# Altium PCB PCB.PcbDoc (part 5 of 7)
Units mil, origin at the board's own origin, x right, y up, seen from the top; angles counter-clockwise.
Board outline 3937.01 x 2165.35 mil, 6 copper layers (Top, PWR, Signal 1, Signal 2, GND, Bottom), stack 64.961 mil thick; 271 components, 335 nets, 1191 pads, 518 vias.
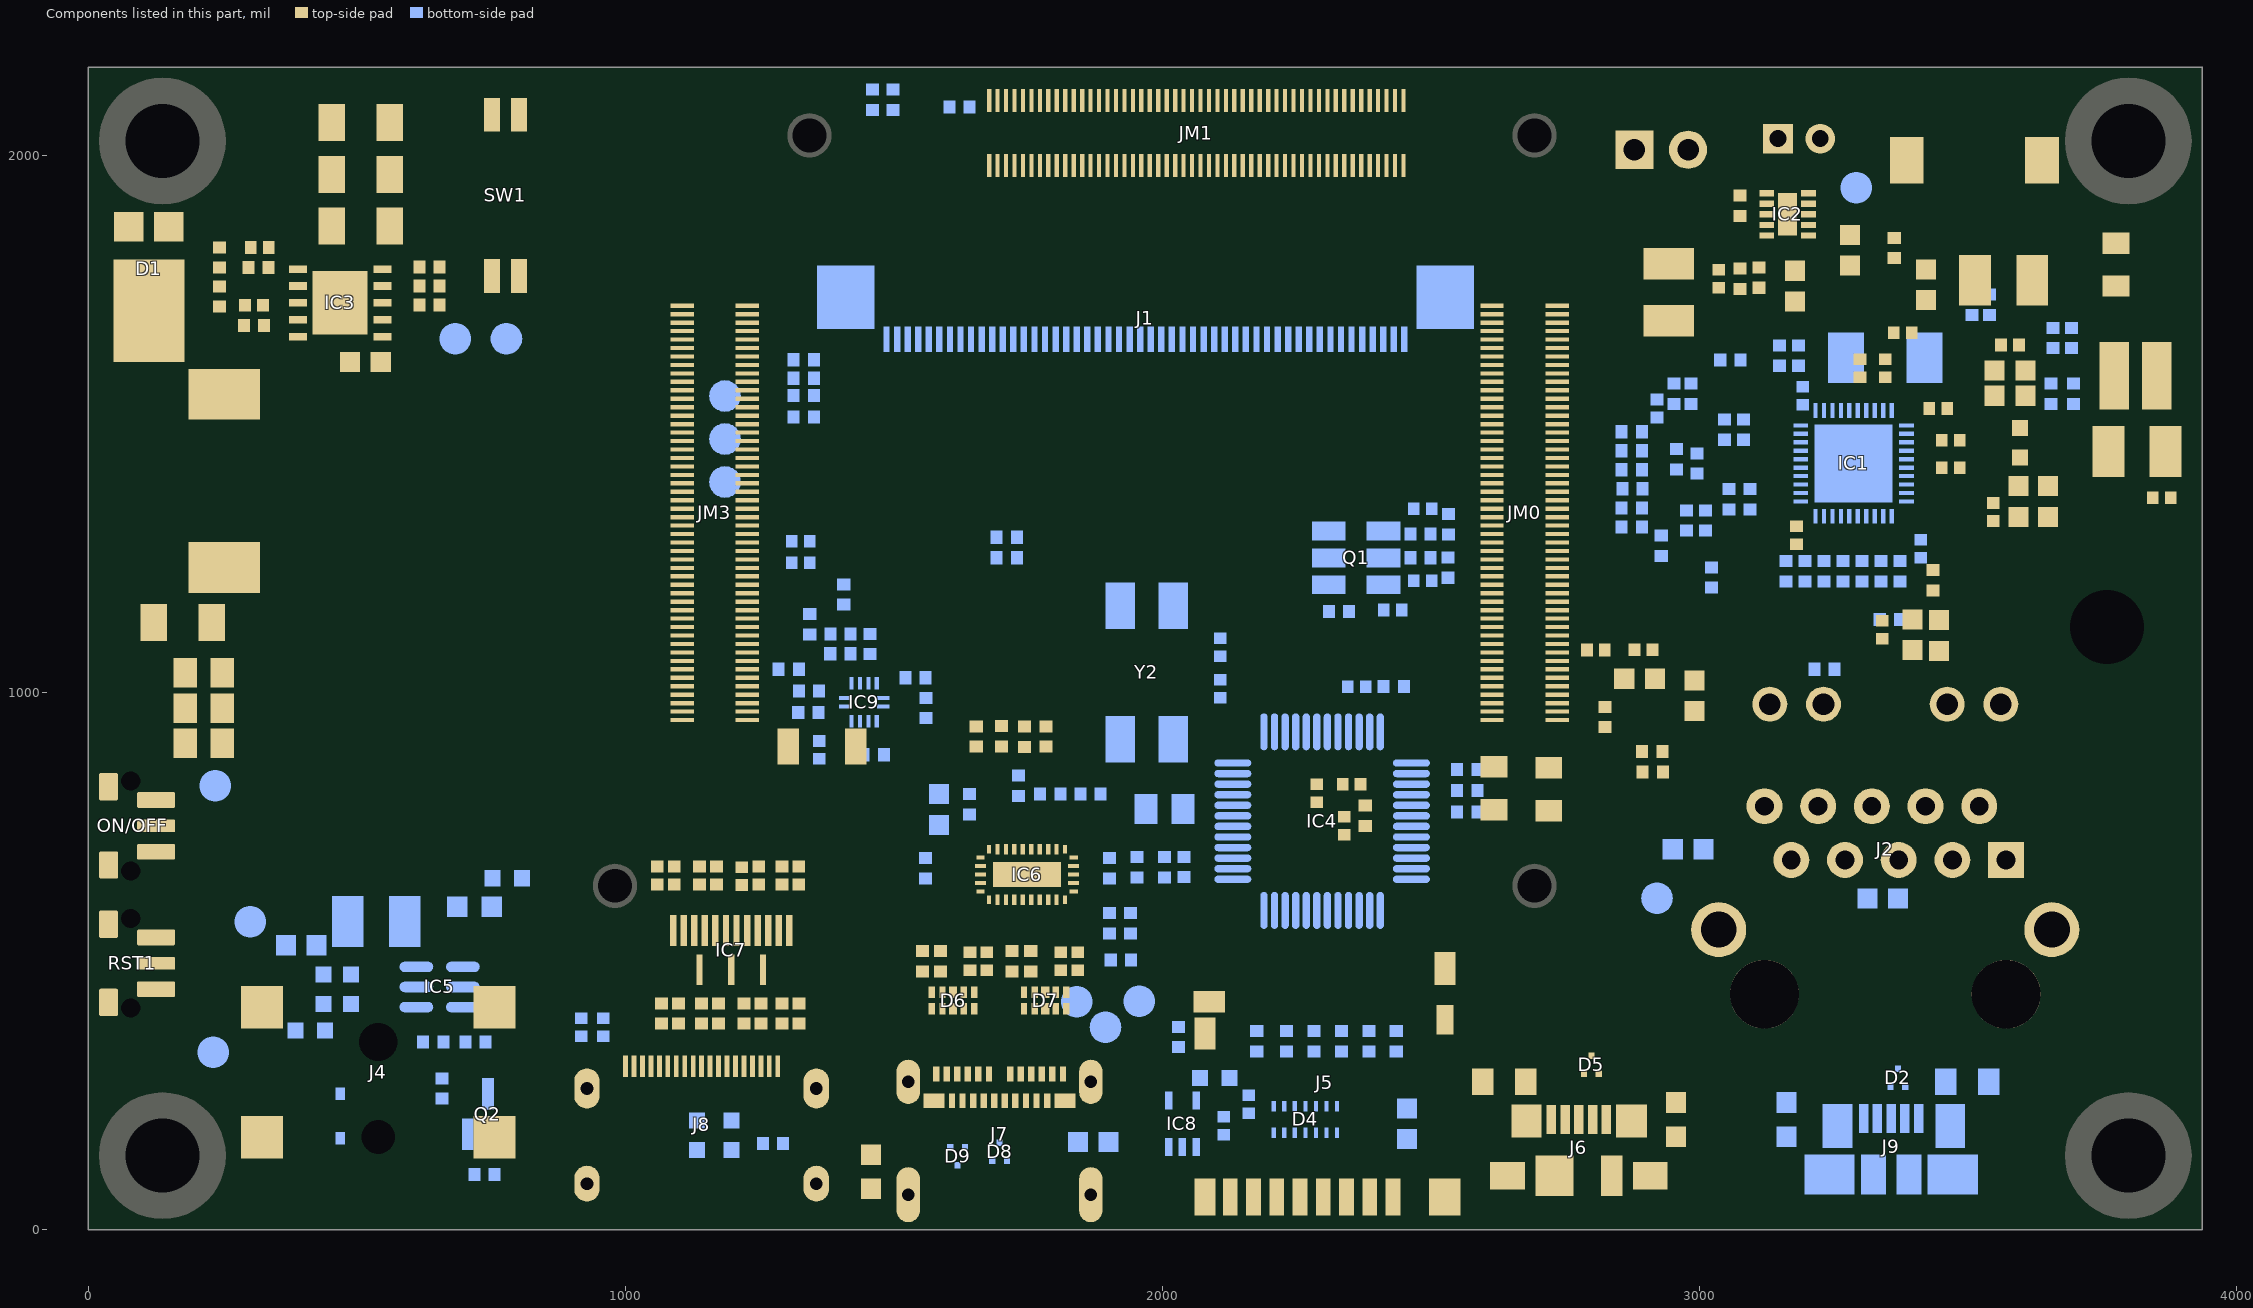
[diagram p9: the components of this part, seen from the top]

## Via types
v1: diameter 19.68, hole 5.91, Top to Bottom, tented both sides, 378 vias
v2: diameter 19.68, hole 5.91, Top to Bottom, 128 vias
v3: diameter 23.62, hole 9.84, Top to Bottom, 7 vias
v4: diameter 23.62, hole 7.87, Top to Bottom, 5 vias

## Nets (pads, with @x,y where several pads share a name; then routed paths per layer and width w, separated by ;. In a path a pad name is that pad's centre, name@x,y a point inside that pad or via, vN(x,y) a via of type N, cw(c..) or ccw(c..) an arc to the next point about the centre after c; other vN are vias at no path point) (continued)
copper on no net: (continued)
  Bottom w0.36: 29.03,1148.13 29.03,1149.58 ; 29.03,1277.91 29.03,1279.35 ; 29.39,1147.41 29.39,1149.94 ; 29.39,1277.55 29.39,1280.08 ; 29.75,1147.05 29.75,1150.66 ; 29.75,1276.82 29.75,1280.44 ; 30.11,1146.69 30.11,1151.02 ; 30.11,1276.46 30.11,1280.8 ; 30.47,1146.32 30.47,1151.75 ; 30.47,1275.74 30.47,1281.16 ; 30.83,1145.96 30.83,1152.11 ; 30.83,1275.38 30.83,1281.52 ; 31.19,1145.6 31.19,1152.83 ; 31.19,1274.65 31.19,1281.88 ; 31.56,1145.24 31.56,1153.19 ; 31.56,1274.29 31.56,1282.24 ; 31.92,1144.88 31.92,1153.92 ; 31.92,1273.57 31.92,1282.61 ; 32.28,1144.52 32.28,1154.28 ; 32.28,1273.21 32.28,1282.97 ; 32.64,1144.16 32.64,1155 ; 32.64,1272.48 32.64,1283.33 ; 33,1143.79 33,1155.36 ; 33,1272.12 33,1283.69 ; 33.36,1143.43 33.36,1155.72 ; 33.36,1271.76 33.36,1284.05 ; 33.73,1143.07 33.73,1156.45 ; 33.73,1271.04 33.73,1284.41 ; 34.09,1142.71 34.09,1156.81 ; 34.09,1270.68 34.09,1284.78 ; 34.45,1142.35 34.45,1157.53 ; 34.45,1269.95 34.45,1285.14 ; 34.81,1141.99 34.81,1157.89 ; 34.81,1269.59 34.81,1285.5 ; 35.17,1141.63 35.17,1158.62 ; 35.17,1268.87 35.17,1285.86 ; 35.53,1141.26 35.53,1158.98 ; 35.53,1268.51 35.53,1286.22 ; 35.89,1140.9 35.89,1159.7 ; 35.89,1267.79 35.89,1286.58 ; 36.26,1140.54 36.26,1160.06 ; 36.26,1267.42 36.26,1286.94 ; 36.62,1140.18 36.62,1160.78 ; 36.62,1266.7 36.62,1287.31 ; 36.98,1139.82 36.98,1161.15 ; 36.98,1266.34 36.98,1287.67 ; 37.34,1139.46 37.34,1161.51 ; 37.34,1265.98 37.34,1288.03 ; 37.7,1139.09 37.7,1162.23 ; 37.7,1265.25 37.7,1288.39 ; 38.06,1138.73 38.06,1162.59 ; 38.06,1264.89 38.06,1288.75 ; 38.42,1138.37 38.42,1163.31 ; 38.42,1181.75 38.42,1182.47 ; 38.42,1245.01 38.42,1245.73 ; 38.42,1264.17 38.42,1289.11 ; 38.79,1138.01 38.79,1163.68 ; 38.79,1181.03 38.79,1182.84 ; 38.79,1244.65 38.79,1246.46 ; 38.79,1263.81 38.79,1289.47 ; 39.15,1137.65 39.15,1164.4 ; 39.15,1180.3 39.15,1182.84 ; 39.15,1244.65 39.15,1247.18 ; 39.15,1263.09 39.15,1289.84 ; 39.51,1137.29 39.51,1164.76 ; 39.51,1179.58 39.51,1183.2 ; 39.51,1244.29 39.51,1247.9 ; 39.51,1262.72 39.51,1290.2 ; 39.87,1136.93 39.87,1165.48 ; 39.87,1178.86 39.87,1183.2 ; 39.87,1244.29 39.87,1248.63 ; 39.87,1262 39.87,1290.56 ; 40.23,1136.56 40.23,1165.85 ; 40.23,1178.14 40.23,1183.56 ; 40.23,1243.93 40.23,1249.35 ; 40.23,1261.64 40.23,1290.92 ; 40.59,1136.2 40.59,1166.57 ; 40.59,1177.41 40.59,1183.56 ; 40.59,1243.93 40.59,1250.07 ; 40.59,1260.92 40.59,1291.28 ; 40.96,1135.84 40.96,1166.93 ; 40.96,1176.69 40.96,1183.92 ; 40.96,1243.57 40.96,1250.8 ; 40.96,1260.56 40.96,1291.64 ; 41.32,1135.48 41.32,1167.29 ; 41.32,1175.97 41.32,1183.92 ; 41.32,1243.57 41.32,1251.52 ; 41.32,1260.19 41.32,1292.01 ; 41.68,1135.12 41.68,1168.01 ; 41.68,1175.61 41.68,1183.92 ; 41.68,1243.57 41.68,1251.88 ; 41.68,1259.47 41.68,1292.37 ; 42.04,1134.76 42.04,1168.38 ; 42.04,1174.88 42.04,1184.28 ; 42.04,1243.2 42.04,1252.6 ; 42.04,1259.11 42.04,1292.73 ; 42.4,1134.4 42.4,1169.1 ; 42.4,1174.16 42.4,1184.28 ; 42.4,1243.2 42.4,1253.33 ; 42.4,1258.39 42.4,1293.09 ; 42.76,1134.03 42.76,1169.46 ; 42.76,1173.44 42.76,1184.64 ; 42.76,1242.84 42.76,1254.05 ; 42.76,1258.03 42.76,1293.45 ; 43.12,1133.67 43.12,1170.18 ; 43.12,1172.71 43.12,1184.64 ; 43.12,1242.84 43.12,1254.77 ; 43.12,1257.3 43.12,1293.81 ; 43.49,1133.31 43.49,1170.91 ; 43.49,1171.63 43.49,1184.64 ; 43.49,1242.84 43.49,1255.86 ; 43.49,1256.58 43.49,1294.17 ; 43.85,1132.95 43.85,1185 ; 43.85,1242.48 43.85,1294.54 ; 44.21,1132.59 44.21,1185 ; 44.21,1242.48 44.21,1294.9 ; 44.57,1132.23 44.57,1185.37 ; 44.57,1242.12 44.57,1295.26 ; 44.93,1131.87 44.93,1185.37 ; 44.93,1242.12 44.93,1295.62 ; 45.29,1131.5 45.29,1185.37 ; 45.29,1242.12 45.29,1295.98 ; 45.65,1131.14 45.65,1185.73 ; 45.65,1241.76 45.65,1296.34 ; 46.02,1130.78 46.02,1185.73 ; 46.02,1241.76 46.02,1296.7 ; 46.38,1130.42 46.38,1186.09 ; 46.38,1241.4 46.38,1297.07 ; 46.74,1130.06 46.74,1186.09 ; 46.74,1241.4 46.74,1297.43 ; 47.1,1129.7 47.1,1186.45 ; 47.1,1241.03 47.1,1297.79 ; 47.29,1407.37 47.29,1408.82 ; 47.29,1456.18 47.29,1456.9 ; 47.29,1523.41 47.29,1524.5 ; 47.29,1574.74 47.29,1575.83 ; 47.46,1129.33 47.46,1186.45 ; 47.46,1241.03 47.46,1298.15 ; 47.65,1370.86 47.65,1376.65 ; 47.65,1388.22 47.65,1393.64 ; 47.65,1404.84 47.65,1411.35 ; 47.65,1415.33 47.65,1420.75 ; 47.65,1427.26 47.65,1433.04 ; 47.65,1453.64 47.65,1459.07 ; 47.65,1464.13 47.65,1469.55 ; 47.65,1481.84 47.65,1486.9 ; 47.65,1499.19 47.65,1504.25 ; 47.65,1520.52 47.65,1527.39 ; 47.65,1531.37 47.65,1536.79 ; 47.65,1543.29 47.65,1548.72 ; 47.65,1571.85 47.65,1578.72 ; 47.82,1128.97 47.82,1186.45 ; 47.82,1241.03 47.82,1298.51 ; 48.01,1370.86 48.01,1376.65 ; 48.01,1388.22 48.01,1393.64 ; 48.01,1403.4 48.01,1412.43 ; 48.01,1415.33 48.01,1420.75 ; 48.01,1427.26 48.01,1433.04 ; 48.01,1452.56 48.01,1460.15 ; 48.01,1464.13 48.01,1469.55 ; 48.01,1481.84 48.01,1486.9 ; 48.01,1499.19 48.01,1504.25 ; 48.01,1519.44 48.01,1528.47 ; 48.01,1531.37 48.01,1536.79 ; 48.01,1543.29 48.01,1548.72 ; 48.01,1570.41 48.01,1579.8 ; 48.18,1128.61 48.18,1186.81 ; 48.18,1240.67 48.18,1298.87 ; 48.38,1370.86 48.38,1376.65 ; 48.38,1388.22 48.38,1393.64 ; 48.38,1402.67 48.38,1413.16 ; 48.38,1415.33 48.38,1420.75 ; 48.38,1427.26 48.38,1433.04 ; 48.38,1451.84 48.38,1460.87 ; 48.38,1464.13 48.38,1469.55 ; 48.38,1481.84 48.38,1487.26 ; 48.38,1498.83 48.38,1504.25 ; 48.38,1518.71 48.38,1529.2 ; 48.38,1531.37 48.38,1536.79 ; 48.38,1543.29 48.38,1548.72 ; 48.38,1569.68 48.38,1580.89 ; 48.55,1128.61 48.55,1186.81 ; 48.55,1240.67 48.55,1298.87 ; 48.74,1370.86 48.74,1376.65 ; 48.74,1388.22 48.74,1393.64 ; 48.74,1401.95 48.74,1413.88 ; 48.74,1415.33 48.74,1420.75 ; 48.74,1427.26 48.74,1433.04 ; 48.74,1451.11 48.74,1461.6 ; 48.74,1464.13 48.74,1469.55 ; 48.74,1481.48 48.74,1487.26 ; 48.74,1498.83 48.74,1504.25 ; 48.74,1517.99 48.74,1529.56 ; 48.74,1531.37 48.74,1536.79 ; 48.74,1543.29 48.74,1548.72 ; 48.74,1568.96 48.74,1581.61 ; 48.91,1128.25 48.91,1187.17 ; 48.91,1240.31 48.91,1299.23 ; 49.1,1370.86 49.1,1376.65 ; 49.1,1388.22 49.1,1393.64 ; 49.1,1401.59 49.1,1414.24 ; 49.1,1415.33 49.1,1420.75 ; 49.1,1427.26 49.1,1433.04 ; 49.1,1450.75 49.1,1461.96 ; 49.1,1464.13 49.1,1469.55 ; 49.1,1481.48 49.1,1487.26 ; 49.1,1498.83 49.1,1504.61 ; 49.1,1517.27 49.1,1529.92 ; 49.1,1531.37 49.1,1536.79 ; 49.1,1543.29 49.1,1548.72 ; 49.1,1568.24 49.1,1582.34 ; 49.27,1128.25 49.27,1187.17 ; 49.27,1240.31 49.27,1299.23 ; 49.46,1370.86 49.46,1376.65 ; 49.46,1388.22 49.46,1393.64 ; 49.46,1400.87 49.46,1414.24 ; 49.46,1415.33 49.46,1420.75 ; 49.46,1427.26 49.46,1433.04 ; 49.46,1450.39 49.46,1462.68 ; 49.46,1464.13 49.46,1469.55 ; 49.46,1481.48 49.46,1487.26 ; 49.46,1498.47 49.46,1504.61 ; 49.46,1516.91 49.46,1530.28 ; 49.46,1531.37 49.46,1536.79 ; 49.46,1543.29 49.46,1548.72 ; 49.46,1567.88 49.46,1582.7 ; 49.63,1128.61 49.63,1187.17 ; 49.63,1240.31 49.63,1298.87 ; 49.82,1370.86 49.82,1376.65 ; 49.82,1388.22 49.82,1393.64 ; 49.82,1400.51 49.82,1414.6 ; 49.82,1415.33 49.82,1420.75 ; 49.82,1427.26 49.82,1433.04 ; 49.82,1450.03 49.82,1463.04 ; 49.82,1464.13 49.82,1469.55 ; 49.82,1481.12 49.82,1487.62 ; 49.82,1498.47 49.82,1504.61 ; 49.82,1516.54 49.82,1530.64 ; 49.82,1531.37 49.82,1536.79 ; 49.82,1543.29 49.82,1548.72 ; 49.82,1567.15 49.82,1583.42 ; 49.99,1128.61 49.99,1187.53 ; 49.99,1239.95 49.99,1298.87 ; 50.18,1370.86 50.18,1376.65 ; 50.18,1388.22 50.18,1393.64 ; 50.18,1400.14 50.18,1420.75 ; 50.18,1427.26 50.18,1433.04 ; 50.18,1449.67 50.18,1463.4 ; 50.18,1464.13 50.18,1469.55 ; 50.18,1481.12 50.18,1487.62 ; 50.18,1498.47 50.18,1504.98 ; 50.18,1516.18 50.18,1536.79 ; 50.18,1543.29 50.18,1548.72 ; 50.18,1566.79 50.18,1583.78 ; 50.35,1128.97 50.35,1187.53 ; 50.35,1239.95 50.35,1298.51 ; 50.54,1370.86 50.54,1376.65 ; 50.54,1388.22 50.54,1393.64 ; 50.54,1399.78 50.54,1420.75 ; 50.54,1427.26 50.54,1433.04 ; 50.54,1449.31 50.54,1469.55 ; 50.54,1481.12 50.54,1487.62 ; 50.54,1498.11 50.54,1504.98 ; 50.54,1515.82 50.54,1536.79 ; 50.54,1543.29 50.54,1548.72 ; 50.54,1566.43 50.54,1584.14 ; 50.72,1128.97 50.72,1187.9 ; 50.72,1239.59 50.72,1298.51 ; 50.91,1370.86 50.91,1376.65 ; 50.91,1388.22 50.91,1393.64 ; 50.91,1399.42 50.91,1420.75 ; 50.91,1427.26 50.91,1433.04 ; 50.91,1448.95 50.91,1469.55 ; 50.91,1480.76 50.91,1487.99 ; 50.91,1498.11 50.91,1504.98 ; 50.91,1515.46 50.91,1536.79 ; 50.91,1543.29 50.91,1548.72 ; 50.91,1566.07 50.91,1584.5 ; 51.08,1129.33 51.08,1187.9 ; 51.08,1239.59 51.08,1298.15 ; 51.27,1370.86 51.27,1376.65 ; 51.27,1388.22 51.27,1393.64 ; 51.27,1399.42 51.27,1420.75 ; 51.27,1427.26 51.27,1433.04 ; 51.27,1448.58 51.27,1469.55 ; 51.27,1480.76 51.27,1487.99 ; 51.27,1498.11 51.27,1505.34 ; 51.27,1515.1 51.27,1536.79 ; 51.27,1543.29 51.27,1548.72 ; 51.27,1565.71 51.27,1584.87 ; 51.44,1129.7 51.44,1188.26 ; 51.44,1239.23 51.44,1297.79 ; 51.63,1370.86 51.63,1376.65 ; 51.63,1388.22 51.63,1393.64 ; 51.63,1399.06 51.63,1420.75 ; 51.63,1427.26 51.63,1433.04 ; 51.63,1448.58 51.63,1469.55 ; 51.63,1480.76 51.63,1487.99 ; 51.63,1498.11 51.63,1505.34 ; 51.63,1515.1 51.63,1536.79 ; 51.63,1543.29 51.63,1548.72 ; 51.63,1565.71 51.63,1585.23 ; 51.8,1129.7 51.8,1188.26 ; 51.8,1239.23 51.8,1297.79 ; 51.99,1370.86 51.99,1376.65 ; 51.99,1388.22 51.99,1393.64 ; 51.99,1399.06 51.99,1420.75 ; 51.99,1427.26 51.99,1433.04 ; 51.99,1448.22 51.99,1469.55 ; 51.99,1480.39 51.99,1488.35 ; 51.99,1497.75 51.99,1505.34 ; 51.99,1514.74 51.99,1536.79 ; 51.99,1543.29 51.99,1548.72 ; 51.99,1565.35 51.99,1585.23 ; 52.16,1130.06 52.16,1188.26 ; 52.16,1239.23 52.16,1297.43 ; 52.35,1370.86 52.35,1376.65 ; 52.35,1388.22 52.35,1393.64 ; 52.35,1398.7 52.35,1420.75 ; 52.35,1427.26 52.35,1433.04 ; 52.35,1447.86 52.35,1469.55 ; 52.35,1480.39 52.35,1488.35 ; 52.35,1497.75 52.35,1505.7 ; 52.35,1514.74 52.35,1536.79 ; 52.35,1543.29 52.35,1548.72 ; 52.35,1564.98 52.35,1584.87 ; 52.52,1130.42 52.52,1188.62 ; 52.52,1238.87 52.52,1297.07 ; 52.71,1370.86 52.71,1376.65 ; 52.71,1388.22 52.71,1393.64 ; 52.71,1398.7 52.71,1406.29 ; 52.71,1412.43 52.71,1420.75 ; 52.71,1427.26 52.71,1433.04 ; 52.71,1447.86 52.71,1469.55 ; 52.71,1480.39 52.71,1488.35 ; 52.71,1497.75 52.71,1505.7 ; 52.71,1514.38 52.71,1521.97 ; 52.71,1528.47 52.71,1536.79 ; 52.71,1543.29 52.71,1548.72 ; 52.71,1564.98 52.71,1572.94 ; 52.71,1577.27 52.71,1584.5 ; 52.88,1130.42 52.88,1188.62 ; 52.88,1238.87 52.88,1297.07 ; 53.07,1370.86 53.07,1376.65 ; 53.07,1388.22 53.07,1393.64 ; 53.07,1398.34 53.07,1405.21 ; 53.07,1413.52 53.07,1420.75 ; 53.07,1427.26 53.07,1433.04 ; 53.07,1447.86 53.07,1456.18 ; 53.07,1460.15 53.07,1469.55 ; 53.07,1480.03 53.07,1488.35 ; 53.07,1497.39 53.07,1505.7 ; 53.07,1514.38 53.07,1521.24 ; 53.07,1529.2 53.07,1536.79 ; 53.07,1543.29 53.07,1548.72 ; 53.07,1564.62 53.07,1571.85 ; 53.07,1578.36 53.07,1583.78 ; 53.25,1130.78 53.25,1188.98 ; 53.25,1238.5 53.25,1296.7 ; 53.44,1370.86 53.44,1376.65 ; 53.44,1388.22 53.44,1393.64 ; 53.44,1398.34 53.44,1404.48 ; 53.44,1413.88 53.44,1420.75 ; 53.44,1427.26 53.44,1433.04 ; 53.44,1447.5 53.44,1455.09 ; 53.44,1461.24 53.44,1469.55 ; 53.44,1480.03 53.44,1488.71 ; 53.44,1497.39 53.44,1506.06 ; 53.44,1514.38 53.44,1520.52 ; 53.44,1529.92 53.44,1536.79 ; 53.44,1543.29 53.44,1548.72 ; 53.44,1564.62 53.44,1571.13 ; 53.44,1579.08 53.44,1583.42 ; 53.61,1131.14 53.61,1188.98 ; 53.61,1238.5 53.61,1296.34 ; 53.8,1370.86 53.8,1376.65 ; 53.8,1388.22 53.8,1393.64 ; 53.8,1398.34 53.8,1404.12 ; 53.8,1414.24 53.8,1420.75 ; 53.8,1427.26 53.8,1433.04 ; 53.8,1447.5 53.8,1454.73 ; 53.8,1461.6 53.8,1469.55 ; 53.8,1480.03 53.8,1488.71 ; 53.8,1497.39 53.8,1506.06 ; 53.8,1514.01 53.8,1520.16 ; 53.8,1530.28 53.8,1536.79 ; 53.8,1543.29 53.8,1548.72 ; 53.8,1564.26 53.8,1570.77 ; 53.8,1579.8 53.8,1583.06 ; 53.97,1131.5 53.97,1188.98 ; 53.97,1238.5 53.97,1295.98 ; 54.16,1370.86 54.16,1376.65 ; 54.16,1388.22 54.16,1393.64 ; 54.16,1397.98 54.16,1403.76 ; 54.16,1414.6 54.16,1420.75 ; 54.16,1427.26 54.16,1433.04 ; 54.16,1447.5 54.16,1454.37 ; 54.16,1461.96 54.16,1469.55 ; 54.16,1480.03 54.16,1488.71 ; 54.16,1497.02 54.16,1506.06 ; 54.16,1514.01 54.16,1519.8 ; 54.16,1530.64 54.16,1536.79 ; 54.16,1543.29 54.16,1548.72 ; 54.16,1564.26 54.16,1570.41 ; 54.16,1580.17 54.16,1582.7 ; 54.33,1131.5 54.33,1189.34 ; 54.33,1238.14 54.33,1295.98 ; 54.52,1370.86 54.52,1376.65 ; 54.52,1388.22 54.52,1393.64 ; 54.52,1397.98 54.52,1403.4 ; 54.52,1414.6 54.52,1420.75 ; 54.52,1427.26 54.52,1433.04 ; 54.52,1447.14 54.52,1454.01 ; 54.52,1462.32 54.52,1469.55 ; 54.52,1479.67 54.52,1489.07 ; 54.52,1497.02 54.52,1506.42 ; 54.52,1514.01 54.52,1519.44 ; 54.52,1530.64 54.52,1536.79 ; 54.52,1543.29 54.52,1548.72 ; 54.52,1563.9 54.52,1570.04 ; 54.52,1580.89 54.52,1582.34 ; 54.69,1131.87 54.69,1189.34 ; 54.69,1238.14 54.69,1295.62 ; 54.88,1370.86 54.88,1376.65 ; 54.88,1388.22 54.88,1393.64 ; 54.88,1397.98 54.88,1403.4 ; 54.88,1414.97 54.88,1420.75 ; 54.88,1427.26 54.88,1433.04 ; 54.88,1447.14 54.88,1453.64 ; 54.88,1462.68 54.88,1469.55 ; 54.88,1479.67 54.88,1489.07 ; 54.88,1497.02 54.88,1506.42 ; 54.88,1514.01 54.88,1519.44 ; 54.88,1531 54.88,1536.79 ; 54.88,1543.29 54.88,1548.72 ; 54.88,1563.9 54.88,1569.68 ; 54.88,1581.25 54.88,1581.97 ; 55.05,1132.23 55.05,1189.7 ; 55.05,1237.78 55.05,1295.26 ; 55.24,1370.86 55.24,1376.65 ; 55.24,1388.22 55.24,1393.64 ; 55.24,1397.98 55.24,1403.4 ; 55.24,1414.97 55.24,1420.75 ; 55.24,1427.26 55.24,1433.04 ; 55.24,1447.14 55.24,1453.28 ; 55.24,1462.68 55.24,1469.55 ; 55.24,1479.67 55.24,1489.07 ; 55.24,1497.02 55.24,1506.42 ; 55.24,1514.01 55.24,1519.44 ; 55.24,1531 55.24,1536.79 ; 55.24,1543.29 55.24,1548.72 ; 55.24,1563.54 55.24,1569.32 ; 55.41,1132.23 55.41,1189.7 ; 55.41,1237.78 55.41,1295.26 ; 55.61,1370.86 55.61,1376.65 ; 55.61,1388.22 55.61,1393.64 ; 55.61,1397.98 55.61,1403.4 ; 55.61,1414.97 55.61,1420.75 ; 55.61,1427.26 55.61,1433.04 ; 55.61,1447.14 55.61,1453.28 ; 55.61,1463.04 55.61,1469.55 ; 55.61,1479.31 55.61,1489.07 ; 55.61,1496.66 55.61,1506.78 ; 55.61,1514.01 55.61,1519.07 ; 55.61,1531 55.61,1536.79 ; 55.61,1543.29 55.61,1548.72 ; 55.61,1563.54 55.61,1569.32 ; 55.78,1132.59 55.78,1189.7 ; 55.78,1237.78 55.78,1294.9 ; 55.97,1370.86 55.97,1376.65 ; 55.97,1388.22 55.97,1393.64 ; 55.97,1397.98 55.97,1403.04 ; 55.97,1415.33 55.97,1420.75 ; 55.97,1427.26 55.97,1433.04 ; 55.97,1447.14 55.97,1452.92 ; 55.97,1463.4 55.97,1469.55 ; 55.97,1479.31 55.97,1489.43 ; 55.97,1496.66 55.97,1506.78 ; 55.97,1514.01 55.97,1519.07 ; 55.97,1531 55.97,1536.79 ; 55.97,1543.29 55.97,1548.72 ; 55.97,1563.54 55.97,1568.96 ; 56.14,1132.95 56.14,1190.07 ; 56.14,1237.42 56.14,1294.54 ; 56.33,1370.86 56.33,1376.65 ; 56.33,1388.22 56.33,1393.64 ; 56.33,1397.98 56.33,1403.04 ; 56.33,1415.33 56.33,1420.75 ; 56.33,1427.26 56.33,1433.04 ; 56.33,1447.14 56.33,1452.92 ; 56.33,1463.4 56.33,1469.55 ; 56.33,1479.31 56.33,1484.01 ; 56.33,1484.73 56.33,1489.43 ; 56.33,1496.66 56.33,1501.36 ; 56.33,1502.08 56.33,1506.78 ; 56.33,1514.01 56.33,1519.07 ; 56.33,1531 56.33,1536.79 ; 56.33,1543.29 56.33,1548.72 ; 56.33,1563.54 56.33,1568.96 ; 56.5,1132.95 56.5,1190.07 ; 56.5,1237.42 56.5,1294.54 ; 56.69,1370.86 56.69,1376.65 ; 56.69,1388.22 56.69,1393.64 ; 56.69,1397.98 56.69,1403.4 ; 56.69,1415.33 56.69,1420.75 ; 56.69,1427.26 56.69,1433.04 ; 56.69,1447.14 56.69,1452.92 ; 56.69,1463.4 56.69,1469.55 ; 56.69,1478.95 56.69,1484.01 ; 56.69,1484.73 56.69,1489.43 ; 56.69,1496.3 56.69,1501.36 ; 56.69,1502.08 56.69,1507.15 ; 56.69,1514.01 56.69,1519.07 ; 56.69,1531 56.69,1536.79 ; 56.69,1543.29 56.69,1548.72 ; 56.69,1563.18 56.69,1568.6 ; 56.86,1133.31 56.86,1190.43 ; 56.86,1237.06 56.86,1294.17 ; 57.05,1370.86 57.05,1376.65 ; 57.05,1388.22 57.05,1393.64 ; 57.05,1397.98 57.05,1403.4 ; 57.05,1415.33 57.05,1420.75 ; 57.05,1427.26 57.05,1433.04 ; 57.05,1447.14 57.05,1452.56 ; 57.05,1463.4 57.05,1469.55 ; 57.05,1478.95 57.05,1484.01 ; 57.05,1484.73 57.05,1489.79 ; 57.05,1496.3 57.05,1501 ; 57.05,1502.08 57.05,1507.15 ; 57.05,1514.01 57.05,1519.07 ; 57.05,1531 57.05,1536.79 ; 57.05,1543.29 57.05,1548.72 ; 57.05,1563.18 57.05,1568.6 ; 57.22,1133.67 57.22,1190.43 ; 57.22,1237.06 57.22,1293.81 ; 57.41,1370.86 57.41,1376.65 ; 57.41,1388.22 57.41,1393.64 ; 57.41,1397.98 57.41,1403.4 ; 57.41,1415.33 57.41,1420.75 ; 57.41,1427.26 57.41,1433.04 ; 57.41,1446.78 57.41,1452.56 ; 57.41,1463.77 57.41,1469.55 ; 57.41,1478.95 57.41,1483.65 ; 57.41,1485.09 57.41,1489.79 ; 57.41,1496.3 57.41,1501 ; 57.41,1502.08 57.41,1507.15 ; 57.41,1514.01 57.41,1519.44 ; 57.41,1531.37 57.41,1536.79 ; 57.41,1543.29 57.41,1548.72 ; 57.41,1563.18 57.41,1568.6 ; 57.58,1133.67 57.58,1190.79 ; 57.58,1236.7 57.58,1293.81 ; 57.77,1370.86 57.77,1376.65 ; 57.77,1388.22 57.77,1393.64 ; 57.77,1398.34 57.77,1403.4 ; 57.77,1415.33 57.77,1420.75 ; 57.77,1427.26 57.77,1433.04 ; 57.77,1446.78 57.77,1452.56 ; 57.77,1463.77 57.77,1469.55 ; 57.77,1478.59 57.77,1483.65 ; 57.77,1485.09 57.77,1489.79 ; 57.77,1495.94 57.77,1501 ; 57.77,1502.45 57.77,1507.15 ; 57.77,1514.01 57.77,1519.44 ; 57.77,1531.37 57.77,1536.79 ; 57.77,1543.29 57.77,1548.72 ; 57.77,1563.18 57.77,1568.6 ; 57.95,1134.03 57.95,1190.79 ; 57.95,1236.7 57.95,1293.45 ; 58.14,1370.86 58.14,1376.65 ; 58.14,1388.22 58.14,1393.64 ; 58.14,1398.34 58.14,1403.76 ; 58.14,1415.33 58.14,1420.75 ; 58.14,1427.26 58.14,1433.04 ; 58.14,1446.78 58.14,1452.56 ; 58.14,1463.77 58.14,1469.55 ; 58.14,1478.59 58.14,1483.65 ; 58.14,1485.09 58.14,1490.16 ; 58.14,1495.94 58.14,1500.64 ; 58.14,1502.45 58.14,1507.51 ; 58.14,1514.38 58.14,1519.8 ; 58.14,1531.37 58.14,1536.79 ; 58.14,1543.29 58.14,1548.72 ; 58.14,1563.18 58.14,1568.24 ; 58.31,1134.4 58.31,1190.79 ; 58.31,1236.7 58.31,1293.09 ; 58.5,1370.86 58.5,1376.65 ; 58.5,1388.22 58.5,1393.64 ; 58.5,1398.34 58.5,1404.12 ; 58.5,1415.33 58.5,1420.75 ; 58.5,1427.26 58.5,1433.04 ; 58.5,1446.78 58.5,1452.56 ; 58.5,1463.77 58.5,1469.55 ; 58.5,1478.59 58.5,1483.65 ; 58.5,1485.46 58.5,1490.16 ; 58.5,1495.94 58.5,1500.64 ; 58.5,1502.45 58.5,1507.51 ; 58.5,1514.38 58.5,1520.16 ; 58.5,1531.37 58.5,1536.79 ; 58.5,1543.29 58.5,1548.72 ; 58.5,1563.18 58.5,1568.24 ; 58.67,1134.4 58.67,1191.15 ; 58.67,1236.34 58.67,1293.09 ; 58.86,1370.86 58.86,1376.65 ; 58.86,1388.22 58.86,1393.64 ; 58.86,1398.34 58.86,1404.48 ; 58.86,1415.33 58.86,1420.75 ; 58.86,1427.26 58.86,1433.04 ; 58.86,1446.78 58.86,1452.56 ; 58.86,1463.77 58.86,1469.55 ; 58.86,1478.23 58.86,1483.29 ; 58.86,1485.46 58.86,1490.16 ; 58.86,1495.94 58.86,1500.64 ; 58.86,1502.45 58.86,1507.51 ; 58.86,1514.38 58.86,1520.52 ; 58.86,1531.37 58.86,1536.79 ; 58.86,1543.29 58.86,1548.72 ; 58.86,1562.81 58.86,1568.24 ; 59.03,1134.76 59.03,1191.15 ; 59.03,1236.34 59.03,1292.73 ; 59.22,1370.86 59.22,1376.65 ; 59.22,1388.22 59.22,1393.64 ; 59.22,1398.7 59.22,1405.21 ; 59.22,1415.33 59.22,1420.75 ; 59.22,1427.26 59.22,1433.04 ; 59.22,1446.78 59.22,1452.56 ; 59.22,1463.77 59.22,1469.55 ; 59.22,1478.23 59.22,1483.29 ; 59.22,1485.46 59.22,1490.16 ; 59.22,1495.58 59.22,1500.28 ; 59.22,1502.81 59.22,1507.87 ; 59.22,1514.38 59.22,1521.24 ; 59.22,1531.37 59.22,1536.79 ; 59.22,1543.29 59.22,1548.72 ; 59.22,1562.81 59.22,1568.24 ; 59.39,1135.12 59.39,1191.51 ; 59.39,1235.97 59.39,1292.37 ; 59.58,1370.86 59.58,1376.65 ; 59.58,1388.22 59.58,1393.64 ; 59.58,1398.7 59.58,1406.65 ; 59.58,1415.33 59.58,1420.75 ; 59.58,1427.26 59.58,1433.04 ; 59.58,1446.78 59.58,1452.56 ; 59.58,1463.77 59.58,1469.55 ; 59.58,1478.23 59.58,1483.29 ; 59.58,1485.82 59.58,1490.52 ; 59.58,1495.58 59.58,1500.28 ; 59.58,1502.81 59.58,1507.87 ; 59.58,1514.74 59.58,1522.69 ; 59.58,1531 59.58,1536.79 ; 59.58,1543.29 59.58,1548.72 ; 59.58,1562.81 59.58,1568.24 ; 59.75,1135.48 59.75,1191.51 ; 59.75,1235.97 59.75,1292.01 ; 59.94,1370.86 59.94,1376.65 ; 59.94,1388.22 59.94,1393.64 ; 59.94,1399.06 59.94,1420.75 ; 59.94,1427.26 59.94,1433.04 ; 59.94,1446.78 59.94,1452.56 ; 59.94,1463.77 59.94,1469.55 ; 59.94,1477.86 59.94,1482.93 ; 59.94,1485.82 59.94,1490.52 ; 59.94,1495.58 59.94,1500.28 ; 59.94,1502.81 59.94,1507.87 ; 59.94,1514.74 59.94,1536.79 ; 59.94,1543.29 59.94,1548.72 ; 59.94,1562.81 59.94,1586.31 ; 60.11,1135.48 60.11,1191.51 ; 60.11,1235.97 60.11,1292.01 ; 60.3,1370.86 60.3,1376.65 ; 60.3,1388.22 60.3,1393.64 ; 60.3,1399.06 60.3,1420.75 ; 60.3,1427.26 60.3,1433.04 ; 60.3,1446.78 60.3,1452.56 ; 60.3,1463.77 60.3,1469.55 ; 60.3,1477.86 